# Altium PCB MCU009A_PCB.PcbDoc (part 2 of 4) (continued)
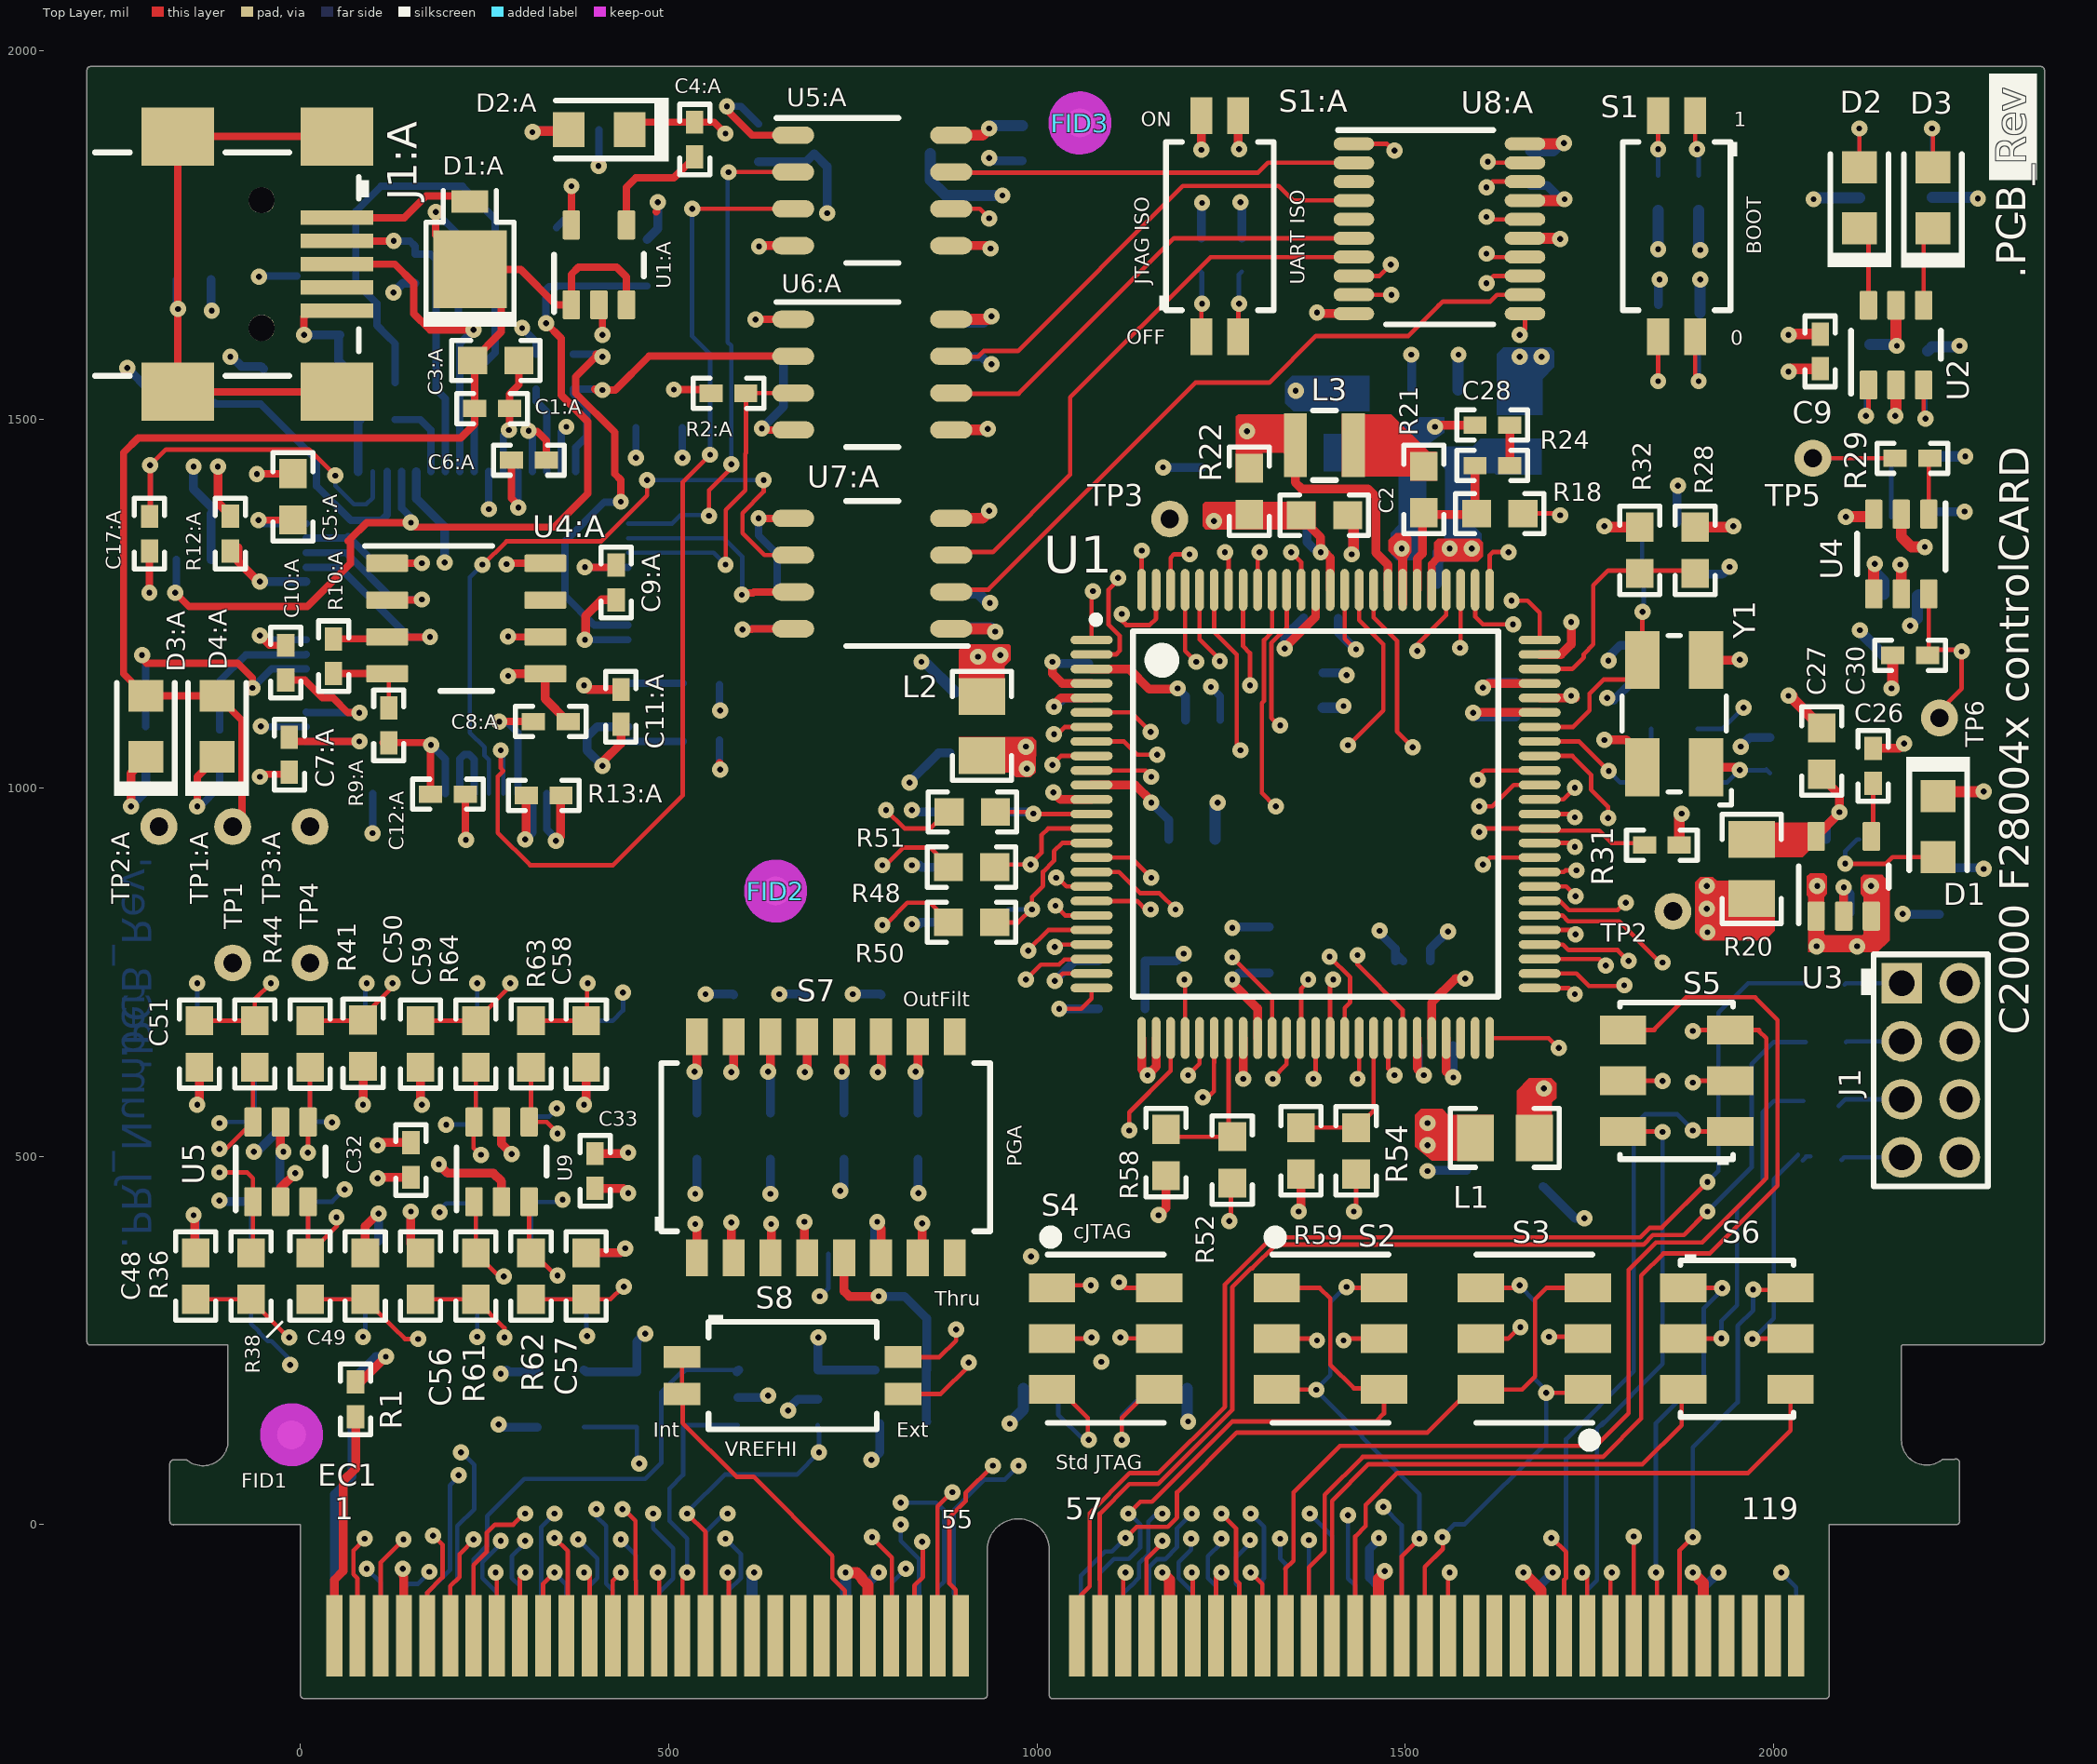
[diagram p0: Top Layer view]
## Nets (pads, with @x,y where several pads share a name; then routed paths per layer and width w, separated by ;. In a path a pad name is that pad's centre, name@x,y a point inside that pad or via, vN(x,y) a via of type N, cw(c..) or ccw(c..) an arc to the next point about the centre after c; other vN are vias at no path point) (continued)
  Bottom Layer w15: EC1.38@612.99,-150.67 612.99,-67.01 615,-65 v1(616,-65) ; EC1.46@738.98,-150.67 740,-149.64 v1(740,-65) ; v1@840,1170 843,1170 848.5,1170 C10.1@888.5,1130 ; C26:A.1@854.96,1860.87 854.96,1825.04 876,1804 v1(953,1804) ; C24:A.2@896.22,1264.49 919.51,1264.49 933,1251 v1(936,1251) ; C12.1@1241.5,930 1241.5,976.5 v1(1245,980) ; v1(1351,1539) 1352,1539 1356,1535 R15.1@1420,1535 ; 1388.1,1108.78 1418.78,1108.78 1419,1109 1417,1111 v1(1416,1111) ; v1@1428,1317 1430,1319 C1.2@1430,1362 ; v1@1430,1190 1431,1190 v1(1433,1188) ; v1@1432,1192 v1@1434,1190 ; R34.1@1900,1645 v1(1900,1690) ; v1(2185,1220) 2195,1230 2195,1260.68 C31.2@2196.72,1262.4
  other v1: 1472,-63 662,155 1087,221 992,364 105,470 2020,1125 1605,1136 1427,1317 2259,1375 1710,1745
HSEC_5V0: C24.1 C25.1 EC1.48 EC1.84 EC1.98 EC1.112 TP1.1 U3.1 U3.3 | length 704.1
  Top Layer w12: v1@2058,789 2057.6,789.4 U3.1@2057.6,825.87 2057.6,867.6 2058.2,867 v1(2059,867) ; v1(2113,785) 2128.8,785 2137.8,794 2135.8,796 2132.4,792.6 U3.3@2132.4,825.87 2132.4,865.6 v1@2131,867
  Bottom Layer w12: EC1.48@770.47,-150.67 770.47,-79.53 v1(785,-65) ; EC1.84@1463.38,-150.67 1463.38,-84.08 1451,-71.7 1451,-33 1464,-20 v1(1464,-18) ; EC1.98@1683.86,-150.67 1683.86,-81.14 v1(1700,-65) ; EC1.112@1904.33,-150.67 1904.33,-85.67 v1(1925,-65) ; C25.1@2056.38,830 2056.38,866.38 2057.76,865 2059,866.24 v1(2059,867) ; v1(2175,829) 2175.5,828.5 C24.1@2225,828.5
  other v1: 2058,785 2132,867
HSEC_ADC-A0,B15,C15,DACA: EC1.9 R36.2 U5.1 | length 940.1
  Top Layer w6: v1(-110,478) -72,478 -64.3,470.3 U5.1@-64.3,438.27 -64.3,380.1 -60,375.8 R36.2@-66.9,368.9 ; EC1.9@172.05,-150.67 172.05,-92.41 193,-71.46 193,-27 v1@179,-13
  Mid-Layer 4 w6: v1(-110,478) -81,478 -66,463 -66,359 22,271 22,147.14 162,7.14 162,-2 175,-15 v1(180,-15)
HSEC_ADC-A1,DACB: EC1.11 R38.2 U5.3 | length 802.9
  Top Layer w6: R38.2@10,370 10.5,370.5 U5.3@10.5,438.27 ; R38.2@13.1,368.9 50,405.8 49,406.8 v1(49,417) ; EC1.11@203.54,-150.67 203.54,-83.46 216,-71 216,-40 v1@237,-19
  Mid-Layer 4 w6: v1@50,418 v1(49,417) 42,410 42,163 191.6,13.4 191.6,13 213,-8.4 213,-8.88 225.12,-21 v1@232,-21
  other v1: 235,-20
HSEC_ADC-A2,B6,PGA1_IN: EC1.15 R37.1 U6.1 | length 1010.5
  Top Layer w6: v1(265,-65) 266.53,-66.53 EC1.15@266.53,-150.67
  Mid-Layer 4 w6: v1(-110,545) -76.54,545 -45,513.46 -45,498.54 -47,496.54 -47,363 32,284 32,157.98 186.98,3 187.46,3 203,-12.54 203,-13.02 210,-20.02 210,-39.46 217.54,-47 247,-47 v1(265,-65)
  Bottom Layer w6: v1(-110,545) -108.47,546.53 U6.1@-64.3,546.53 ; U6.1@-64,548 -61.9,550.1 R37.1@-61.9,620.9
HSEC_ADC-A3: EC1.17 R41.2 U5.4 | length 946.5
  Top Layer w6: v1(10,505) 10.5,505.5 U5.4@10.5,546.53 ; U5.4@13.1,545.1 R41.2@13.1,620.9 ; EC1.17@298.03,-150.67 298.03,-71.97 v1(305,-65)
  Mid-Layer 4 w6: v1(10,505) 20,495 20,457 41,436 60,436 68,428 68,300 52,284 52,167.14 201.6,17.54 201.6,17.4 213.23,5.77 234.68,5.77 253,-12.54 253,-30.46 266.54,-44 285,-44 v1@306,-65
HSEC_ADC-A4,B8,PGA2_IN: EC1.21 R39.1 U6.3 | length 991.5
  Top Layer w6: v1(345,-18) 363,-36 363,-148.69 EC1.21@361.02,-150.67
  Mid-Layer 4 w6: v1@41,545 41,505 88,458 88,401.54 107,382.54 107,272 145,234 145,106 218,33 261,33 297,-3 ; 297,-4 331,-4 v1(345,-18)
  Bottom Layer w6: R39.1@13.1,620.9 13.1,616.1 13.1,550.1 10,547 v1@42,547
  Bottom Layer w12: R39.1@10.5,613.5 13.1,616.1 15,618 R39.1@15,622
  other v1: 43,546
HSEC_ADC-A5: EC1.23 R44.2 U5.6 | length 1200.6
  Top Layer w6: v1@-109,510 -100.84,510 U5.6@-64.3,546.53 R44.2@-64.3,616.3 ; EC1.23@392.52,-150.67 v1@392.52,-67.48
  Top Layer w12: R44.2@-67,620 -67,619 R44.2@-64.3,616.3
  Mid-Layer 4 w6: v1(-110,510) -131,489 -131,466 -123,458 -102.54,458 -92,447.46 -92,367 -70,345 -70,344 7.36,266.64 7.36,147.64 121,34 121,-69 137,-85 365,-85 v1(385,-65)
HSEC_ADC-A6,PGA5_IN: EC1.25 R43.1 U8.1 | length 723.5
  Top Layer w6: EC1.25@424.01,-150.67 424.01,-75.99 v1(435,-65)
  Mid-Layer 4 w6: v1(435,-65) 435,-61 453,-43 587.46,-43 662,31.54 662,104 683,125 683,235 702,254 v1(703,254)
  Bottom Layer w12: v1(703,254) 702.23,254.77 702.23,209.8 702.43,210 R43.1@780,210
HSEC_ADC-A8,PGA6_OF: EC1.33 R35.1 U8.3 | length 727.7
  Top Layer w6: v1(525,15) 550,-10 EC1.33@550,-150.67
  Mid-Layer 4 w6: v1(704,98) 704,192 732,220 732,283 v1(705,310)
  Bottom Layer w6: v1(525,15) 525,17 576,68 674,68 v1(704,98) ; v1@702,102 v1@703,103 ; U8.3@702.23,135 U8.3@702.23,133 704,131.23 v1(704,98) ; v1@705,99 v1(704,98) ; v1@706,310 716.6,320.6 R35.1@716.6,367.4
HSEC_ADC-A9: EC1.27 R47.2 U7.1 | length 770.8
  Top Layer w6: v1@438,22 455,5 455,-75 455.51,-75.51 EC1.27@455.51,-150.67
  Mid-Layer 4 w6: v1(356,441) 330,415 330,331.54 339,322.54 339,127 437,29 v1(437,21)
  Bottom Layer w6: U7.1@312.2,438 313.1,438.9 U7.1@313.1,438 ; R47.2@313.1,368.9 U7.1@313.1,438 ; v1@356,442 352,438 U7.1@313.1,438
HSEC_ADC-B0: EC1.12 R49.2 U7.3 | length 740
  Mid-Layer 4 w6: v1@190,424 204,410 204,110 v1@220,94 ; v1(218,98) v1@220,98
  Bottom Layer w6: v1@188,426 198,436 230,436 232.9,438.9 238.1,438.9 R49.2@238.1,368.9 ; EC1.12@203.54,-150.67 203.54,-83.46 213,-74 213,-2 236,21 236,81 219,98 v1(218,98)
  other v1: 189,424
HSEC_ADC-B1,A10,C10,PGA7_IN: EC1.14 R46.1 U8.6 | length 656.4
  Bottom Layer w6: 235,-47 235.04,-46.96 ; EC1.14@235.04,-150.67 235.04,-46.96 ; R46.1@520,207 522.8,209.8 U8.6@593.97,209.8 ; R46.1@520,210 490,180 490,84 468,62 304,62 253.5,11.5 253.5,-28.5 235.04,-46.96
  Bottom Layer w12: EC1.14@235.04,-150.67 EC1.14@237,-148.71 ; U8.6@592.4,207.4 U8.6@595,210
HSEC_ADC-B2,C6,PGA3_IN: EC1.18 R40.1 U6.4 | length 892
  Mid-Layer 4 w6: v1(60,455) 78,437 78,284 69,275 ; 69.27,274.73 67,272.46 67,167 217,17 259.4,17 301.4,-25 304.4,-22 v1(305,-22)
  Bottom Layer w6: R40.1@10,370 10.5,370.5 10.5,374.5 U6.4@10.5,438.27 43.27,438.27 v1(60,455) v1@61,456 ; EC1.18@298.03,-150.67 298.03,-83.49 287,-72.46 287,-43 305,-25 v1(305,-22)
  Bottom Layer w12: R40.1@10.5,374.5 R40.1@15,370
HSEC_ADC-B3,VDAC: EC1.20 R53.2 U7.4 | length 868.7
  Mid-Layer 4 w6: v1(198,543) 202,543 220,525 220,151.14 345,26.14 v1(345,15)
  Bottom Layer w6: v1@208,543 230,543 238.1,551.1 R53.2@238.1,620.9 ; EC1.20@329.53,-150.67 327,-148.14 327,-3 v1(345,15)
HSEC_ADC-B4,C8,C3,PGA4_IN: EC1.24 R42.1 U6.6 | length 1253.8
  Mid-Layer 3 w6: v1@377,-23 v1(377,-20)
  Mid-Layer 4 w6: v1(-110,440) -110,316 -45,251 -45,210.36 -2.64,168 -2.64,139.64 111,26 111,-82 130,-101 374.46,-101 403,-72.46 403,-47 v1@377,-21
  Bottom Layer w6: U6.6@-69.27,438.27 -66,435 -66.9,434.1 R42.1@-66.9,368.9 ; v1(377,-20) 403,-46 403,-72.46 392.52,-82.94 EC1.24@392.52,-150.67
  Bottom Layer w12: v1(-110,440) -108.27,438.27 -69.27,438.27 U6.6@-64.3,438.27
HSEC_ADC-C0: EC1.26 R60.2 U7.6 | length 893.5
  Mid-Layer 4 w6: v1@348,566 322,540 322,429 312,419 312,335.4 329,318.4 329,116 402,43 v1(402,21)
  Bottom Layer w6: U7.6@310.5,546.53 U7.6@312.48,548.52 ; R60.2@313.1,611.1 313.1,552.1 311,550 U7.6@312.48,548.52 ; v1@348,564 338,554 317.97,554 U7.6@312.48,548.52 ; v1(402,21) 402,11 415,-2 415,-80 424.01,-89.01 EC1.26@424.01,-150.67
  Bottom Layer w12: R60.2@313.1,611.1 315,613 R60.2@315,617
  other v1: 348,565
HSEC_ADC-C1: EC1.28 R61.2 U9.1 | length 710.6
  Top Layer w6: U9.1@235,439.8 238.1,442.9 R61.2@238.1,368.9 270,337 v1(276,337)
  Top Layer w12: R61.2@235,370 R61.2@235.7,370.7
  Mid-Layer 4 w6: v1@275.5,336.5 309,303 309,105 367,47 367,16.4 392.2,-8.8 421.8,-8.8 v1@434,-21
  Bottom Layer w6: v1@434,-20 455.51,-41.51 EC1.28@455.51,-150.67
  other v1: 435,-20
HSEC_ADC-C2: EC1.30 R62.2 U9.3 | length 673.6
  Top Layer w6: R62.2@310.5,371.5 U9.3@310.5,438.27 ; R62.2@313.1,368.89 316.11,368.89 v1@347,338 ; v1(349,338) v1@349,340
  Mid-Layer 4 w6: v1@351,334 351,144 480,15 v1(479,15)
  Bottom Layer w6: v1(479,15) 479,-5 506,-32 506,-73 487.01,-91.99 EC1.30@487.01,-150.67
HSEC_ADC-C4: EC1.34 R63.2 U9.4 | length 915.8
  Top Layer w6: U9.4@310.5,543.5 U9.4@310.5,546.53 U9.4@313.1,546.53 ; R63.2@313.1,620.9 U9.4@313.1,546.53 ; v1@350,531 334.47,546.53 U9.4@313.1,546.53
  Mid-Layer 4 w6: v1(349,531) 349,485 374,460 374,318 424,268 424,172 497,99 ; 496.5,98.5 v1(580,15)
  Bottom Layer w6: EC1.34@550,-150.67 551,-149.67 551,-9 575,15 v1(580,15)
HSEC_ADC-C5,PGA6_IN: EC1.31 R45.1 U8.4 | length 382.2
  Top Layer w6: EC1.31@518.5,-150.67 518.5,-71.5 v1(525,-65)
  Mid-Layer 3 w6: v1@524,-64 v1(525,-65)
  Bottom Layer w6: R45.1@519.6,132.4 519.6,67.6 501,49 501,5 525,-19 v1@525,-64 ; R45.1@521,134 522,135 U8.4@593.97,135 ; v1(525,-65) v1@530,-65
HSEC_ADC-C14: EC1.36 R64.2 U9.6 | length 1025.8
  Top Layer w6: R64.2@238.1,620.9 238.1,548.1 235,545 235,511 v1@241,505
  Mid-Layer 4 w6: v1(245,502) 245,461 299,407 299,334 313,320 ; 313.13,320.13 319,314.26 319,111.86 380,50.86 380,17.54 395.77,1.77 454.23,1.77 459,-3 561,-3 v1(577,-19) ; v1@574.5,-21.5 v1@579,-26
  Bottom Layer w6: v1(577,-19) 598,-40 598,-72.46 581.49,-88.96 EC1.36@581.49,-150.67
HSEC_ADCVREFHI-EXT: EC1.45 S8.1 S8.2 | length 481.1
  Top Layer w6: S8.1@518.1,227.4 518.1,178.1 518.9,178.1 518.9,138.1 592,65 615,65 721,-41 ; 722,-43 722,-72.46 738.98,-89.43 EC1.45@738.98,-150.67
HSEC_GPIO-12: EC1.57 R3.1 | length 1640.8
  Top Layer w6: EC1.57@1059.39,-124 1059.39,-96 1071.5,-83.89 1071.5,15.5 1072,16 ; 1074,18 1072,16 ; v1(1910,465) 1848,403 1831.72,403 1818.72,390 1318.75,390 1255,326.25 1255,160 1165,70 1125.86,70 1072,16.14 1072,16
  Bottom Layer w6: v1(1910,465) 1925,480 1925,695 1965,735 R3.1@2033.5,735 R3.1@2043.5,735
HSEC_GPIO-13: EC1.59 R4.1 | length 1569.1
  Top Layer w6: EC1.59@1085.43,-150.67 1085.43,-75 1085,-75 1085,15 1125,55 1164.14,55 1265,155.86 1265,322.11 1290.87,347.98 1292.12,347.98 1324.14,380 1822.86,380 1835.86,393 1878,393 v1(1910,425)
  Bottom Layer w6: v1(1910,425) 1970,485 1970,625 2000,655 R4.1@2033.5,655 R4.1@2043.5,655
HSEC_GPIO-22: EC1.72 R19.2 | length 2313.5
  Mid-Layer 8 w6: v1(1171,1435) 1246,1435 1278,1403 1278,1309 1323,1264 1464,1264 1492.5,1235.5 ; v1(1289,-21) 1292.54,-21 1290.77,-22.77 1311,-43 1407,-43 1454,4 1481,4 1502,25 1502,239.98 1736,473.98 1736,681 1711,706 1711,761 1557,915 1557,1093.14 1498,1152.14 1498,1231 1493,1236
  Bottom Layer w6: EC1.72@1274.41,-150.67 1274.41,-84.41 1270,-80 1270,-45 1289,-26 v1(1289,-21)
  Bottom Layer w12: v1(1171,1435) R19.2@1223.5,1435
HSEC_GPIO-23: EC1.64 R18.2 | length 1987.2
  Top Layer w6: R18.2@1659.6,1372.4 1707.6,1372.4 v1(1710,1370)
  Mid-Layer 4 w6: v1@1209,13 1250,54 1310,54 1736,480 1736,644.46 1715.46,665 1715,665 1658,722 1658,785 1569,874 1569,1013 1656.64,1100.64 1656.64,1139.64 1692,1175 1692,1322 1710,1340 v1(1710,1370)
  Bottom Layer w6: EC1.64@1148.42,-150.67 1152,-147.09 1152,-57.54 1162.54,-47 1173.46,-47 1190,-30.46 1190,-5 v1(1210,15)
HSEC_PGA1_GND: EC1.13 R48.1 | length 1482.7
  Top Layer w6: EC1.13@235.04,-150.67 235.04,-54.96 253,-37 253,-11 264,0 289,0 v1@305,16 ; v1(790,895) 795,895 819,919 855,919 R48.1@881.6,892.4
  Top Layer w12: EC1.13@235,-150.63 EC1.13@235.04,-150.67
  Mid-Layer 8 w6: v1(305,15) 317,27 317,277.46 427.54,388 427.54,388.54 463,424 463,512.46 459,516.46 459,693 661,895 v1(790,895)
HSEC_PGA3_GND: EC1.16 R50.1 | length 1462
  Top Layer w6: v1(790,814) 794,814 824,844 855,844 R50.1@881.6,817.4
  Mid-Layer 8 w6: v1@270,-25 291,-4 316,-4 327,7 327,22.46 328,23.46 328,255 425,352 459,352 476,369 476,695.86 592.14,812 v1@791,812
  Bottom Layer w6: EC1.16@266.53,-150.67 266.53,-91.99 247,-72.46 247,-51 v1@272,-26
  other v1: 272,-22
HSEC_PGA5_GND: EC1.29 R51.1 | length 1506.8
  Top Layer w6: v1(485,-65) 487.01,-67.01 EC1.29@487.01,-150.67 ; v1(795,970) 820,945 855.2,945 877.6,967.4 R51.1@881.6,967.4
  Mid-Layer 8 w6: v1(485,-65) 497,-53 497,22.46 490,29.46 490,694 566,770 792,770 810,788 810,955 v1(795,970)
HSEC_PGA7_GND: EC1.10 R54.1 | length 1695.5
  Top Layer w6: v1(1430,425) 1433.1,428.1 R54.1@1433.1,475.9
  Mid-Layer 3 w6: v1@215,70 223,62 471,62 604,195 740,195 980,435 1076,435 1114,473 1382,473 v1(1430,425)
  Bottom Layer w6: EC1.10@172.05,-150.67 172.05,-92.41 203,-61.46 203,53 v1@215,65 ; v1@214,66 v1(215,67)
HSEC_PGA246_GND: EC1.19 EC1.22 EC1.35 R52.1 | length 1538.7
  Top Layer w6: EC1.19@329.53,-150.67 329.53,-80 344.53,-65 v1(345,-65) ; v1(580,-65) 581.49,-66.49 EC1.35@581.49,-150.67 ; v1(1261,412) 1263.1,414.1 R52.1@1263.1,475.9
  Mid-Layer 3 w6: v1@345,-64 v1(345,-65) 363,-47 563,-47 v1@579,-63 ; v1@345,-63 v1@345.5,-63.5 ; v1@581,-65 v1@579,-63 ; 756,117 793,154 793,228 980,415 1083,415 1114,446 1229,446 v1@1261,414 ; 757.5,115.5 v1@579,-63
  Bottom Layer w6: v1(345,-65) 361.02,-81.02 EC1.22@361.02,-150.67
HSEC_PIN58: EC1.58 S3.3 S3.4 | length 988.1
  Top Layer w6: v1@1119,-24 v1@1122.5,-20.5 ; v1(1120,-18) 1135,-3 1177.46,-3 1190,9.54 1190,44 1271,125 1530,125 1590,185 S3.4@1600,185 ; S3.4@1602.17,183.5 1658.5,183.5 1676,201 1676,306 1691.3,321.3 S3.3@1747.83,321.3
  Bottom Layer w6: EC1.58@1059.39,-122 1059.39,-69.11 1092,-36.5 1101.5,-36.5 v1(1120,-18)
HSEC_PIN60: EC1.60 S2.1 S2.6 | length 895
  Top Layer w6: v1@1125,16 1140,31 1156,31 1265,140 1460,140 1470.93,150.93 S2.6@1470.93,183.5 ; S2.1@1325.27,321.3 1383.7,321.3 1398,307 1398,217 1430,185 S2.6@1465,185 ; S2.6@1470.93,185 S2.6@1475,185
  Bottom Layer w6: EC1.60@1085.43,-150.67 1085.43,-65.57 1104.5,-46.5 1124.5,-46.5 1140,-31 1140,0 v1@1124,16
  other v1: 1124,15
HSEC_PIN75: EC1.75 S5.3 | length 1426.1
  Top Layer w6: 1336.9,-60.1 1348,-49 1348,44 1411,107 1759,107 1803,151 1803,346 1840,383 1903,383 1987,467 1987,467.46 1990,470.46 1990,660 1980,670 ; EC1.75@1337.4,-150.67 1337.4,-60.6 ; v1(1890,670) 1891.3,671.3 S5.3@1940.93,671.3 1980,671.3
HSEC_PIN77: EC1.77 S5.6 | length 1568.7
  Top Layer w6: EC1.77@1368.9,-150.67 1368.9,-58.1 1390.39,-36.61 1390.39,40.39 1442,92 1768,92 1820,144 1820,338 1850,368 1913,368 2005,460 2005,685 1975,715 ; S5.6@1795.27,671.3 1838,671.3 1838,673 1881,716 1975,716
HSEC_PIN79: EC1.79 S6.3 | length 750.2
  Top Layer w6: EC1.79@1400.39,-150.67 1400.39,32.39 1450,82 1822,82 1875,135 S6.3@1875,185
HSEC_PIN81: EC1.81 S6.6 | length 860.8
  Top Layer w6: EC1.81@1431.89,-150.67 1431.89,-16 ; 1432,-16 1446,-2 1446,27 1489,70 1965,70 2022.83,127.83 S6.6@2022.83,182.83 ; S6.6@2022.83,183.5 S6.6@2022.83,182.83 ; S6.6@2025,185 S6.6@2022.83,182.83
HSEC_PIN85: EC1.85 S2.3 S2.4 | length 677.6
  Top Layer w6: S2.3@1325.27,183.5 1378.5,183.5 1379,184 v1(1379,183) ; v1(1420,322.6) 1418.7,321.3 S2.4@1470.93,321.3 ; EC1.85@1494.88,-150.67 1494.88,-43.12 v1(1519,-19) v1@1520,-18
  Mid-Layer 7 w6: v1(1420,322.6) v1@1420,330
  Bottom Layer w6: v1@1377,184 1441.5,119.5 ; v1(1379,183) 1379,184 1398,203 1398,302 v1@1419,323 ; 1441,119 1519,41 v1(1519,-19)
HSEC_PIN87: EC1.87 S3.1 S3.6 | length 680.1
  Top Layer w6: EC1.87@1526.38,-150.67 1526.38,-57.62 1551,-33 v1@1551,-19 ; v1@1550,-19 v1(1550,-17) ; S3.6@1602.17,321.3 1651.3,321.3 v1(1655,325) ; v1(1691,179) 1742,179 S3.1@1747,184
  Bottom Layer w6: v1@1549,-17 1566.5,0.5 1580.5,0.5 1691,111 v1(1691,179) ; v1(1655,325) 1655,324 1676,303 1676,197 v1@1693,180
HSEC_PIN100: EC1.100 S5.1 | length 878.3
  Top Layer w6: v1(1890,535) 1891.5,533.5 S5.1@1940.93,533.5
  Bottom Layer w6: EC1.100@1715.35,-150.67 1715.35,-75.1 1718,-72.46 1718,116 1810,208 1810,542 1825,557 1869,557 v1@1890,536
HSEC_PIN102: EC1.102 S5.4 | length 785.2
  Top Layer w6: S5.4@1795.27,533.5 1848.5,533.5 v1(1849,533)
  Bottom Layer w6: EC1.102@1746.85,-150.67 1746.85,-88.61 1760,-75.46 1760,130 1769,139 ; 1766,135 1849,218 v1(1849,533)
HSEC_PIN107: EC1.107 S6.1 | length 561.9
  Top Layer w6: v1(1840,-65) 1841.34,-66.34 EC1.107@1841.34,-150.67 ; S6.1@1877.17,321.3 1929.7,321.3 v1(1930,321)
  Bottom Layer w6: v1(1840,-65) 1840,138 1905,203 1905,294 v1@1931,320
HSEC_PIN109: EC1.109 S6.4 | length 561.6
  Top Layer w6: EC1.109@1872.83,-150.67 1872,-149.84 1872,-35 v1(1890,-17) ; v1(1972,319) 1971.5,318.5 S6.4@2020.93,318.5
  Bottom Layer w6: v1(1890,-17) 1890,105 1951,166 1951,270 1972,291 v1(1972,319)
HSEC_TDI: EC1.8 R8.1 S4.3 U8:A.18 | length 3853.8
  Top Layer w6: S4.3@1020.27,183.5 1030.5,183.5 1069,145 v1@1069,119 ; v1(1610,1815) 1617.82,1822.82 U8:A.18@1662.34,1822.82
  Mid-Layer 3 w6: v1(175,-64) 184,-64 225,-105 825,-105 862,-68 862,10 857,15 857,55.6 915.4,114 1069,114 v1(1070,115)
  Mid-Layer 4 w6: v1(1070,115) 1090,95 1200,95 1310,205 1441,205 1726,490 1726,595.57 1648,673.57 1648,780.86 1559,869.86 1559,1019.86 1645,1105.86 1645,1144 1682,1181 1682,1380 1732,1430 1732,1628 1700,1660 1598,1660 1585,1673 1585,1790 v1(1610,1815)
  Bottom Layer w6: EC1.8@140.55,-150.67 140.55,-86.45 146.5,-80.5 159.5,-80.5 v1@176,-64 ; R8.1@1028.62,185 1028.62,149.38 1063,115 v1(1070,115)
HSEC_TDO: EC1.6 R9.1 S4.6 U8:A.8 | length 3882.1
  Top Layer w6: v1(1115,115) 1115,145 1153.5,183.5 S4.6@1165.93,183.5 ; U8:A.8@1430.05,1694.87 1464.87,1694.87 v1(1480,1710)
  Mid-Layer 3 w6: v1@85,-60 v1(90,-60) 135,-105 210.86,-105 220.86,-115 830,-115 872,-73 872,31.54 867,36.54 867,51.46 877.54,62 878.14,62 916.14,100 1020,100 1025,95 1095,95 v1(1115,115) ; v1@1113,117 v1@1117,121
  Mid-Layer 4 w6: v1(1115,115) 1129.5,129.5 1129.5,145.5 1199,215 1429,215 1709,495 1709,598.43 1638,669.43 1638,776.72 1549,865.72 1549,1024 1631,1106 1631,1146 1672,1187 1672,1386 1720,1434 1720,1618 1694,1644 1545,1644 1528,1661 ; v1(1480,1710) 1528.5,1661.5
  Bottom Layer w6: v1(90,-60) 109.05,-79.05 EC1.6@109.05,-150.67 ; v1(1115,115) 1115,148 1152,185 1154,185 1155,186 R9.1@1157,184 ; R9.1@1156.38,188.78 R9.1@1158.1,188.78
MCU_1V2: C1.1 C2.1 C3.2 C4.2 C5.2 C6.2 R22.1 TP3.1 U1.4 U1.46 U1.71 U1.87 | length 699.9
  Top Layer w12: v1(1021,1171) 1021,1155 1034.27,1141.73 U1.4@1073.97,1141.73 ; v1(1240,1362) 1279.2,1362 R22.1@1286.1,1368.9 ; R22.1@1285,1370 R22.1@1286.1,1368.9 ; U1.87@1397.79,1268.7 1397.79,1312.21 1390,1320 v1(1385,1320) 1385,1340 1354.1,1370.9 R22.1@1288.1,1370.9 R22.1@1286.1,1368.9 ; U1.46@1535.58,660.43 1535.58,708.58 1568,741 v1(1581,741) ; U1.71@1682.23,1122.04 1731.04,1122.04 1728.08,1125 v1(1725,1125) ; v1@1773,1119 v1@1776,1122
  Bottom Layer w12: v1@1020,1172 v1(1021,1171) 1023.38,1168.62 C6.2@1070,1168.62 ; C1.1@1366.6,1357.4 1366.6,1333.4 1375,1325 ; 1388.1,1156.02 1417.02,1156.02 v1(1420,1153) ; C5.2@1533.62,765 1533.62,781.62 1558,806 v1(1558,805) ; v1@1773,1119 v1@1776,1122 ; v1@1782.62,1119 C4.2@1810,1146.38
  other v1: 1774,1122
MCU_3V3: C8.1 C14.1 C15.1 C16.1 C17.1 L1.2 U1.3 U1.47 U1.70 U1.88 | length 708
  Top Layer w12: U1.3@1073.97,1161.41 1124.59,1161.41 1152,1134 1190,1134 v1(1191,1135) ; v1@1336,1190 1378.1,1232.1 U1.88@1378.1,1268.7 ; v1@1529,546 v1(1530,545) 1550,525 L1.2@1595,525 ; U1.47@1555.27,660.43 1555.27,614.73 1563,607 v1(1565,607) ; v1@1599.64,1102.36 U1.70@1682.23,1102.36
  Bottom Layer w12: v1@1186.38,1135 v1(1191,1135) ; v1@1190,1136 v1(1191,1135) ; C14.1@1201.38,1092 1201.38,1124.62 v1(1191,1135) ; v1(1336,1189) 1336,1205 C17.1@1362,1231 ; v1@1528,545 1529.1,543.9 C8.1@1583.1,543.9 ; C15.1@1564.52,649.99 1564.52,607.48 v1(1565,607) ; v1@1590,1102 1595.62,1096.38 C16.1@1650,1096.38
  other v1: 1530,515 1592,1102
MCU_A_3V3: C11.2 C12.2 C13.2 C32.1 C33.1 L2.2 U1.11 U1.34 U5.5 U6.5 U7.5 U8.5 U9.5 | length 761.8
  Top Layer w12: U5.5@-26.9,546.53 -26.9,511.1 -23,507.2 v1(-23,506) ; v1@106,515 109.62,518.62 C32.1@150,518.62 ; U9.5@273.1,546.53 273.1,516.9 v1(287,503) ; C33.1@400,503.62 443.62,503.62 v1(445,505) ; L2.2@925,1045 981,1045 v1@986,1050 ; U1.11@1073.97,1003.93 1133.07,1003.93 v1@1155,982 ; v1(1265,740) 1265,735 1299.36,700.64 U1.34@1299.36,660.43
  Bottom Layer w12: U6.5@-26.9,438.27 -26.9,467.2 -28,468.3 -28,506 v1@-25,509 ; U7.5@273.1,546.53 273.1,516.9 v1(287,503) ; U8.5@593.97,172.4 633.4,172.4 v1@636,175 ; C11.2@936.5,1050 985,1050 v1@985,1055 ; v1(1155,980) 1178.5,956.5 C12.2@1178.5,930 ; v1@1155,981 v1@1155.5,980.5 ; v1(1265,740) 1273.5,748.5 C13.2@1315,748.5
  other v1: 635,175 105,515 986,1026 985,1056
MCU_ADC-A0: C48.1 R36.1 U1.23 | length 1452
  Top Layer w6: C48.1@-141.9,305.9 R36.1@-66.9,305.9 -66.9,304.9 v1@-17,255 ; v1(985,740) 1005,760 1030,760 1037,767 1073.25,767 U1.23@1073.97,767.71
  Mid-Layer 3 w6: v1@-16,255 57,328 142,328 257,443 291.86,443 518.86,670 887,670 957,740 v1(985,740) ; v1@-15.5,253.5 v1@-14,252 ; v1(-15,254) v1@-15,255
MCU_ADC-A1: C49.1 R38.1 U1.22 | length 1362.3
  Top Layer w6: R38.1@13.1,305.9 C49.1@87.9,305.9 ; C49.1@88.1,305.9 126,268 142,252 v1(160,252) ; v1@1027.4,787.4 U1.22@1073.97,787.4
  Mid-Layer 3 w6: v1@161,252 171.5,262.5 171.5,331.5 268,428 291,428 349,486 349.7,486 465,601.3 465,602 523,660 936,660 1006,730 1006,766 v1(1024,784) v1@1025,785
MCU_ADC-A3: C50.1 R41.1 U1.10 | length 1428.1
  Top Layer w6: R41.1@13.1,683.89 89.9,683.89 C50.1@88.1,683.9 ; C50.1@85,685 85,690 v1@130,735 ; U1.10@1073.97,1023.62 1147.38,1023.62 v1@1158,1013
  Mid-Layer 3 w6: v1(125,735) 145,715 250,715 260,725 260,745 270,755 827,755 943,871 943,902 972,931 1071,931 v1(1155,1015)
MCU_ADC-A5: C51.1 R44.1 U1.35 | length 1716.7
  Top Layer w6: C51.1@-136.9,683.9 R44.1@-63.1,683.9 ; R44.1@-61.9,683.9 -61.9,713.1 v1(-40,735) ; v1(1265,770) 1319.04,715.96 U1.35@1319.04,660.43
  Mid-Layer 3 w6: v1(-40,735) -40,675 -17,652 462.14,652 490.14,680 827,680 950,803 1204,803 1227,780 1255,780 v1(1265,770)
MCU_ADC-A9: C52.1 R47.1 U1.38 | length 1432.3
  Top Layer w6: v1(1375,605) 1378.1,608.1 U1.38@1378.1,660.43
  Mid-Layer 3 w6: v1(389,256) 389,349.46 554.54,515 1010,515 1135,640 1245,640 1260,625 1260,600 1262,598 1262,597.54 ; 1259.77,599.77 1262,597.54 ; v1(1375,605) 1357,587 1272.54,587 1262,597.54
  Bottom Layer w6: R47.1@313.1,305.9 C52.1@391.1,305.9 ; C52.1@388.1,305.9 388.1,256.9 v1(389,256)
MCU_ADC-B0: C53.1 R49.1 U1.41 | length 1669.5
  Top Layer w6: 1437.16,617.16 U1.41@1437.16,660.43
  Mid-Layer 3 w6: v1@240,256 v1(240,255) 240,240 253,227 396,227 408,239 408,260 473,325 530,325 565,360 565,455 610,500 1009.14,500 1137.14,628 1237,628 1245,620 1245,600 1268,577 1407,577 v1(1435,605)
  Bottom Layer w6: C53.1@163.1,305.9 R49.1@238.1,305.9 240,304 v1(240,255) 240,254 v1@239,253
  Bottom Layer w12: R49.1@238.1,305.9 239.1,305.9 R49.1@240,305
MCU_ADC-B3: C54.1 R53.1 U1.8 | length 1308.1
  Top Layer w6: U1.8@1073.97,1062.99 1117.99,1062.99 1135.97,1045 v1(1163,1045)
  Mid-Layer 3 w6: v1(240,735) 240,760 245,765 816,765 924,873 924,905 961,942 1047,942 1150,1045 v1(1163,1045)
  Bottom Layer w6: C54.1@163.1,683.9 237.9,683.9 240,686 v1(240,735)
MCU_ADC-C0: C55.1 R60.1 U1.19 | length 1040.5
  Top Layer w6: U1.19@1073.97,846.45 1135.55,846.45 v1@1149,833
  Mid-Layer 3 w6: v1(438,722) v1@439,722 ; v1@438,723 v1@439,722 ; v1(1154,835) 1087,835 1063,859 966,859 807,700 523,700 501,722 v1@439,722
  Bottom Layer w6: R60.1@313.1,683.9 C55.1@390.9,683.9 ; C55.1@388.1,683.9 C55.1@390.89,683.9 ; v1(438,722) 438,698 423.9,683.9 C55.1@390.89,683.9
MCU_ADC-C1: C56.1 R61.1 U1.29 | length 1432.9
  Top Layer w6: C56.1@163.1,305.9 R61.1@237.9,305.9 ; R61.1@238.1,305.9 277,267 v1(277,254) v1@277,252 ; v1(1200,740) 1200.93,739.07 U1.29@1200.93,660.43
  Mid-Layer 3 w6: v1(277,254) 277,291.46 384,398.46 384,504 530,650 1025,650 1115,740 v1(1200,740)